# Altium PCB IoT_Greenhouse V1.0 A.PcbDoc (part 1 of 2)
Units mm, origin at the board's own origin, x right, y up, seen from the top; angles counter-clockwise.
Board outline 130 x 80 mm, 2 copper layers (Top Layer, Bottom Layer), stack 1.569 mm thick; 104 components, 49 nets, 361 pads, 100 vias.
Unrouted connection lines stored in the file: 251.
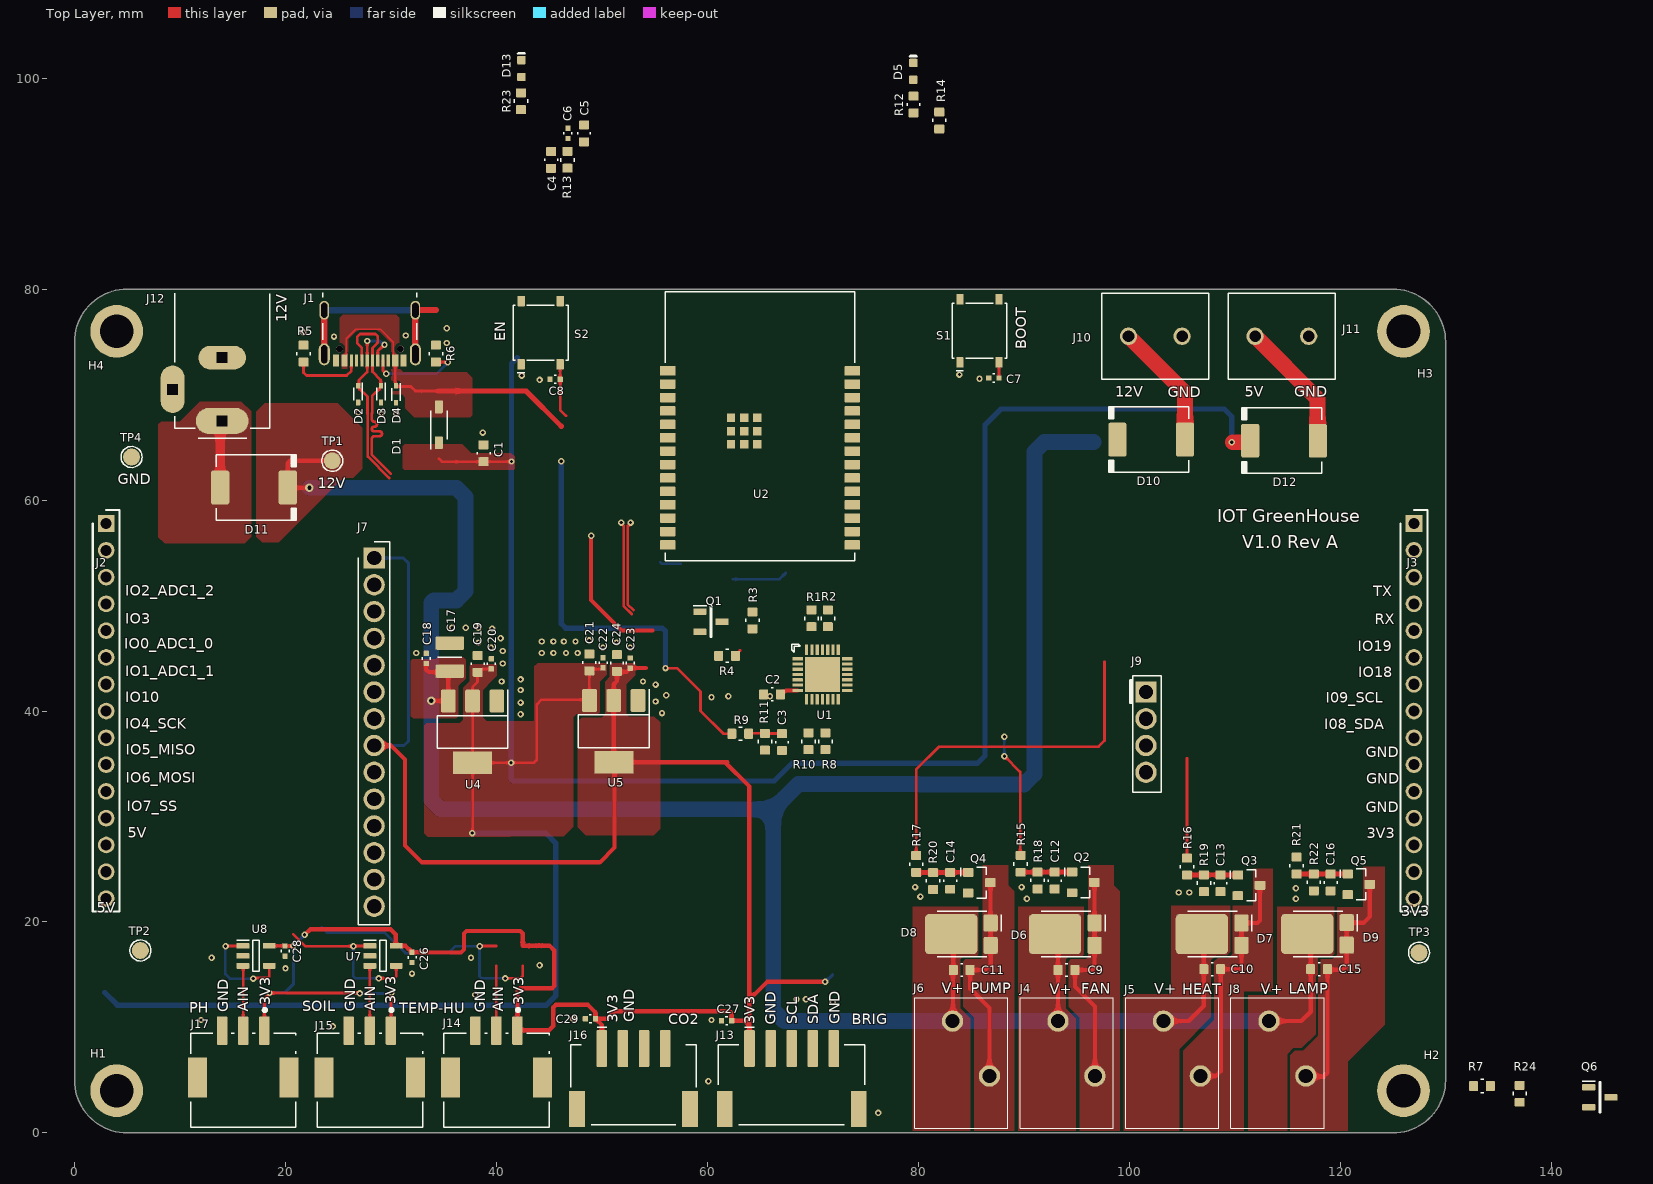
[diagram p0: Top Layer view]
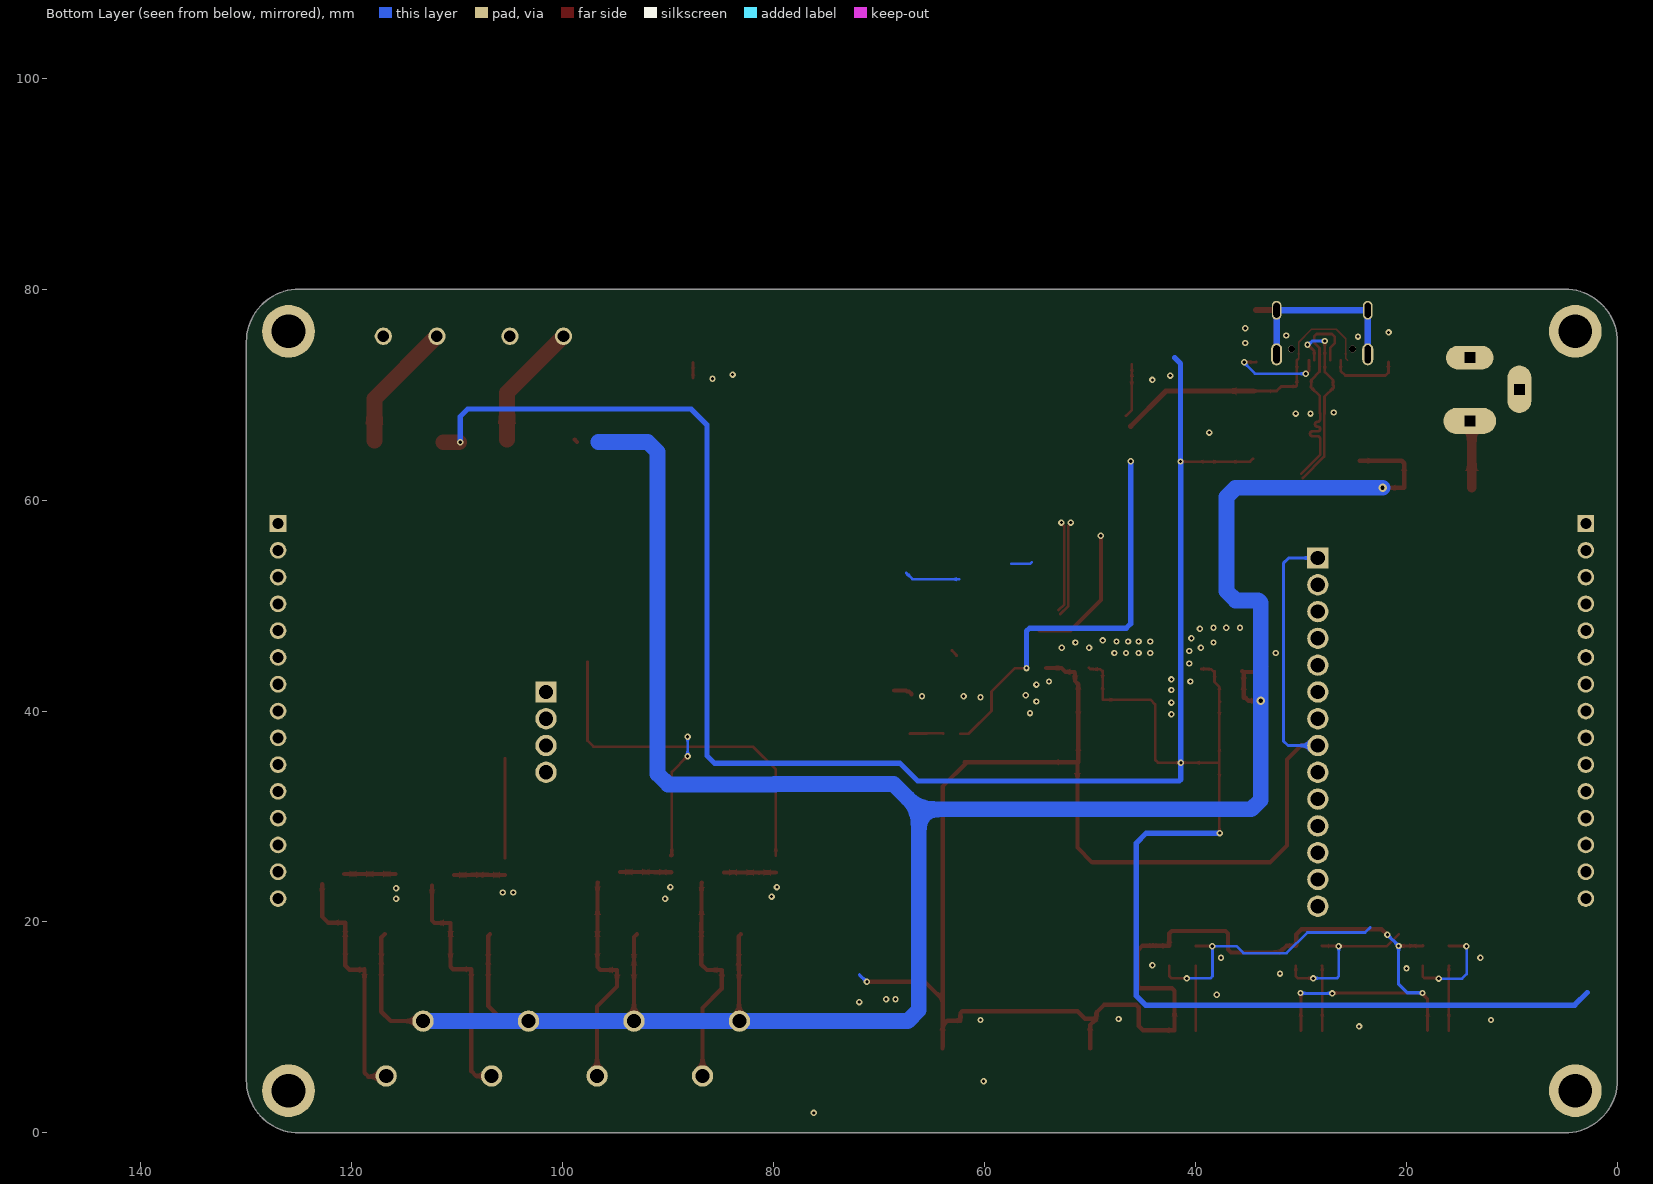
[diagram p1: Bottom Layer view, seen from below]

## Layer stack, top to bottom
Top Solder: solder mask 0.0254, SM-001, Dk 4
Top Layer: signal copper 0.035
Dielectric 1: core 1.4986, Core-043, Dk 4.3
Bottom Layer: signal copper 0.035
Bottom Solder: solder mask 0.0254, SM-001, Dk 4

## Board outline
0,5 0,75 cw(c5,75) 5,80 125,80 cw(c125,75) 130,75 130,5 cw(c125,5) 125,0 5,0 cw(c5,5)

## Design rules (kind name [scope] priority, off if disabled: settings)
BoardOutlineClearance [All] p1: gap=0.2 ignorepadtopadclearanceinfootprint=FALSE
Clearance Clearance_J1 [WithinRoom('ROOM_J1')] p1: gap=0.1 ignorepadtopadclearanceinfootprint=FALSE
Clearance Clearance_U1 [WithinRoom('ROOM_U1')] p2: gap=0.1 ignorepadtopadclearanceinfootprint=FALSE
Clearance Clearance_in_Z90 [InNetClass('Z90') vs InNetClass('Z90')] p3: gap=0.1 ignorepadtopadclearanceinfootprint=FALSE
Clearance [All] p4: gap=0.254 ignorepadtopadclearanceinfootprint=FALSE
ComponentClearance J1_Con_Clearance [InComponent('J1')] p1: gap=-100 collisioncheckmode=3 verticalgap=-100 showdistances=TRUE
ComponentClearance [All] p2: gap=0.254 collisioncheckmode=3 verticalgap=0.178 showdistances=TRUE
DiffPairsRouting [InDifferentialPairClass('Z90')] p1: maxlimit=0.127 minlimit=0.127 mostfreqgap=0.127 toplayer_minwidth=0.254 toplayer_maxwidth=0.254 toplayer_prefwidth=0.254 bottomlayer_minwidth=0.254 bottomlayer_maxwidth=0.254 bottomlayer_prefwidth=0.254 impedanceprofiledriven=TRUE impedanceprofileid={C76FB75A-1407-4EBC-86B8-B472929ECCBA} impedanceprofilevalue=90.000000 maxuncoupledlength=12.7
Height Height_BOT [(OnLayer('Bottom Layer'))] p2: minheight=0 maxheight=6 prefheight=4
HoleSize [All] p1 off: absolutevalues=TRUE maxlimit=2.54 minlimit=0.025 maxpercent=80.000 minpercent=20.000
HoleToHoleClearance [All] p1: gap=0 allowstackedmicrovias=TRUE
MatchedLengths MatchedLengths_Z90 [InDifferentialPairClass('Z90')] p1: tolerance=0.1 checknetsindiffpair=TRUE checkdiffpairvsdiffpair=FALSE checkxsignals=FALSE checkothers=FALSE
MinimumSolderMaskSliver [All] p1: minsoldermaskwidth=0
PlaneConnect PlaneConnect_1 [IsVia] p1: planeconnectstyle=Direct reliefexpansion=0.508 reliefentries=4 reliefconductorwidth=0.254 reliefairgap=0.254
PlaneConnect [IsPad] p2: planeconnectstyle=Direct reliefexpansion=0.5 reliefentries=4 reliefconductorwidth=0.3 reliefairgap=0.25
PolygonConnect [IsPolygon vs IsPad] p1: connectstyle=Direct reliefconductorwidth=0.3 reliefentries=4 polygonreliefangle="90 Angle" airgapwidth=0.3
PolygonConnect Polygon_Via [IsPolygon vs IsVia] p2: connectstyle=Direct reliefconductorwidth=0.254 reliefentries=4 polygonreliefangle="90 Angle" airgapwidth=0.254
RoutingVias [All] p1: holewidth=0.203 width=1 viastyle="Through Hole" minholewidth=0.203 minwidth=0.355 maxholewidth=3.3 maxwidth=1.27
SilkToSilkClearance [All] p1: silktosilkclearance=0.1
SilkToSolderMaskClearance SilkscreenOverComponentPads [IsPad] p1: minsilkscreentomaskgap=0.002 clearancetoexposedcopper=TRUE
SolderMaskExpansion SolderMaskExpVia [IsVia] p1: expansion=-0.076 istentingtop=TRUE
SolderMaskExpansion SolderMaskExpPad [IsPad] p2: expansion=0.051 istentingtop=FALSE
Width [All] p1: maxlimit=5 minlimit=0.085 preferedwidth=0.254
22 further rules are at their usual default settings.

## Classes and differential pairs
differential pair class Z90: DM
net class Z90: DM_N DM_P
differential pair DM: +DM_P -DM_N

## Components (designator, comment, footprint, x,y, rotation, side; value= is the part's Value field where it differs from the comment)
C1 "GRM188R61E106MA73D" CAP_0603_CAPC1608X08N 38.786,64.44 r270 top
C2 "GRM188R61E106MA73D" CAP_0603_CAPC1608X08N 66.142,41.58 r0 top
C3 "CL10A105KO8NNNC" CAP_0603_CAPC1608X08N 67.081,37.059 r90 top
C4 "CL10A105KO8NNNC" CAP_0603_CAPC1608X08N 45.187,92.253 r270 top
C5 "GRM188R61E106MA73D" CAP_0603_CAPC1608X08N 48.311,94.767 r270 top
C6 "GRM155R71H104KE14D" CAP_0402_CAPC1005X05N 46.787,94.767 r270 top
C7 "GRM155R71H104KE14D" CAP_0402_CAPC1005X05N 87.173,71.577 r180 top
C8 "GRM155R71H104KE14D" CAP_0402_CAPC1005X05N 45.568,71.45 r180 top
C9 "GMK107BJ105KA-T" CAP_0603_CAPC1608X08N 94.056,15.443 r180 top
C10 "GMK107BJ105KA-T" CAP_0603_CAPC1608X08N 107.874,15.519 r180 top
C11 "GMK107BJ105KA-T" CAP_0603_CAPC1608X08N 84.125,15.443 r180 top
C12 "CL10B104KO8NNNC" CAP_0603_CAPC1608X08N 92.939,23.927 r90 top
C13 "CL10B104KO8NNNC" CAP_0603_CAPC1608X08N 108.661,23.673 r90 top
C14 "CL10B104KO8NNNC" CAP_0603_CAPC1608X08N 83.033,23.901 r90 top
C15 "GMK107BJ105KA-T" CAP_0603_CAPC1608X08N 118.008,15.519 r180 top
C16 "CL10B104KO8NNNC" CAP_0603_CAPC1608X08N 119.101,23.749 r90 top
C17 "GRM32ER71E226KE15L" CAP_1210_CAPC3225X270N 35.585,45.11 r270 top
C18 "GRM155R71H104KE14D" CAP_0402_CAPC1005X05N 33.35,44.983 r270 top
C19 "GRM188R61E106MA73D" CAP_0603_CAPC1608X08N 38.227,44.475 r270 top
C20 "GRM155R71H104KE14D" CAP_0402_CAPC1005X05N 39.522,44.475 r270 top
C21 "GRM188R61E106MA73D" CAP_0603_CAPC1608X08N 48.819,44.602 r270 top
C22 "GRM155R71H104KE14D" CAP_0402_CAPC1005X05N 50.114,44.577 r270 top
C23 "GRM155R71H104KE14D" CAP_0402_CAPC1005X05N 52.705,44.552 r270 top
C24 "GRM188R61E106MA73D" CAP_0603_CAPC1608X08N 51.435,44.552 r270 top
C26 "GRM155R71H104KE14D" CAP_0402_CAPC1005X05N 32.004,16.637 r90 top
C27 "GRM155R71H104KE14D" CAP_0402_CAPC1005X05N 61.824,10.643 r0 top
C28 "GRM155R71H104KE14D" CAP_0402_CAPC1005X05N 19.964,17.247 r90 top
C29 "GRM155R71H104KE14D" CAP_0402_CAPC1005X05N 48.92,10.82 r0 top
D1 "1N5819HW-7-F" DIO_SOD3716X145N 34.544,67.132 r90 top
D2 "PESD5V0S1BB,115" DIO_TVS_SODFL1608X65N 26.899,70.053 r270 top
D3 "PESD5V0S1BB,115" DIO_TVS_SODFL1608X65N 29.058,70.053 r270 top
D4 "PESD5V0S1BB,115" DIO_TVS_SODFL1608X65N 30.48,70.028 r270 top
D5 "LTST-C193TBKT-5A" LED_0603-BLUE-0.75mm 79.527,100.647 r90 top
D6 "PMEG100V060ELPDZ" DIO_SCKTY_PMEG060V100EPDAZ 94.186,18.845 r270 top
D7 "PMEG100V060ELPDZ" DIO_SCKTY_PMEG060V100EPDAZ 108.105,18.845 r270 top
D8 "PMEG100V060ELPDZ" DIO_SCKTY_PMEG060V100EPDAZ 84.331,18.845 r270 top
D9 "PMEG100V060ELPDZ" DIO_SCKTY_PMEG060V100EPDAZ 118.088,18.87 r270 top
D10 "SS34-E3/9AT" DIO_Vishay_SMC_MFG 102.083,65.735 r0 top
D11 "SS34-E3/9AT" DIO_Vishay_SMC_MFG 17.018,61.189 r180 top
D12 "SS34-E3/9AT" DIO_Vishay_SMC_MFG 114.681,65.634 r0 top
D13 "LTST-C190KRKT" LED_0603-RED-0.75mm 42.367,100.914 r90 top
H1 "Mounting Hole" PTH_3.2X5 4,4 r0 top
H2 "Mounting Hole" PTH_3.2X5 126,4 r0 top
H3 "Mounting Hole" PTH_3.2X5 126,76 r0 top
H4 "Mounting Hole" PTH_3.2X5 4,76 r0 top
J1 "TYPE-C 16PIN 2MD(073)" CONN_USB_C_16P 28,78 r180 top
J2 "PEC15SFAN" HEADER_MALE_15P 3,40 r270 top
J3 "PEC15SFAN" HEADER_MALE_15P 127,40 r270 top
J4 "1-2834011-2" CONN_TBLOCK_128340112 95,8 r0 top
J5 "1-2834011-2" CONN_TBLOCK_128340112 105,8 r0 top
J6 "1-2834011-2" CONN_TBLOCK_128340112 85,8 r0 top
J7 "PPTC141LFBN-RC" CONN_HEADER_RHDR14W80P0X254_1X14_3606X254X850P 28.41,38 r270 top
J8 "1-2834011-2" CONN_TBLOCK_128340112 115,8 r0 top
J9 "PM254V-11-04-H85" CONN_HEADER_FEM_4P 101.59,38 r270 top
J10 "282837-2" CONN_TBLOCK_2P_\2828372 102.477,75.534 r0 top
J11 "282837-2" CONN_TBLOCK_2P_\2828372 114.477,75.534 r0 top
J12 "PJ-202AH" CONN_CUI_PJ-202AH 14,74 r90 top
J13 "S5B-PH-SM4-TB(LF)(SN)" CONN_JST_S5B-PH-SM4-TB_LF_SN_0 68,4.55 r0 top
J14 "SM03B-PASS-TBT" CONN_JST_SM03B-PASS-TBT_LF_SN_MFG 40,5 r180 top
J15 "SM03B-PASS-TBT" CONN_JST_SM03B-PASS-TBT_LF_SN_MFG 28,5 r180 top
J16 "S4B-PH-SM4-TB(LF)(SN" CONN_JST_S4B-PH-SM4-TB_LF_SN_0 53,4.55 r180 top
J17 "SM03B-PASS-TBT" CONN_JST_SM03B-PASS-TBT_LF_SN_MFG 16,5 r180 top
Q1 "KSC3265YMTF" TRANS_BJT_SOT96P237X111-3N 60.35,48.463 r0 top
Q2 "DMG6968U-7" SOT_23_3_MMBT2907A-13 95.631,23.749 r0 top
Q3 "DMG6968U-7" SOT_23_3_MMBT2907A-13 111.354,23.47 r0 top
Q4 "DMG6968U-7" SOT_23_3_MMBT2907A-13 85.776,23.724 r0 top
Q5 "DMG6968U-7" SOT_23_3_MMBT2907A-13 121.768,23.571 r0 top
Q6 "KSC3265YMTF" TRANS_BJT_SOT96P237X111-3N 144.623,3.376 r0 top
R1 "RC0603FR-070RL" RES_0603_RESC1608X04N 69.875,48.793 r270 top
R2 "RC0603FR-070RL" RES_0603_RESC1608X04N 71.425,48.793 r270 top
R3 "AC0603FR-1010KL" RES_0603_RESC1608X04N 64.287,48.59 r90 top
R4 "AC0603FR-1010KL" RES_0603_RESC1608X04N 61.874,45.237 r0 top
R5 "RC0603FR-075K1L" RES_0603_RESC1608X04N 21.717,73.889 r270 top
R6 "RC0603FR-075K1L" RES_0603_RESC1608X04N 34.265,73.889 r270 top
R7 "RC0603FR-074K7L" RES_0603_RESC1608X04N 133.447,4.443 r0 top
R8 "AC0603FR-1010KL" RES_0603_RESC1608X04N 71.196,37.135 r270 top
R9 "RC0603FR-0722K1L" RES_0603_RESC1608X04N 63.119,37.846 r0 top
R10 "AC0603FR-101KL" RES_0603_RESC1608X04N 69.596,37.135 r270 top
R11 "AC0603FR-0747K5L" RES_0603_RESC1608X04N 65.456,37.084 r90 top
R12 "ERJ3EKF1000V" CAP_0603_CAPC1608X08N 79.553,97.511 r90 top
R13 "AC0603FR-1010KL" RES_0603_RESC1608X04N 46.736,92.266 r270 top
R14 "AC0603FR-1010KL" RES_0603_RESC1608X04N 81.991,95.987 r90 top
R15 "RC0603JR-0710RL" RES_0603_RESC1608X04N 89.713,25.514 r270 top
R16 "RC0603JR-0710RL" RES_0603_RESC1608X04N 105.486,25.248 r270 top
R17 "RC0603JR-0710RL" RES_0603_RESC1608X04N 79.807,25.502 r270 top
R18 "RC0603FR-07100KL" RES_0603_RESC1608X04N 91.313,23.927 r90 top
R19 "RC0603FR-07100KL" RES_0603_RESC1608X04N 107.086,23.673 r90 top
R20 "RC0603FR-07100KL" RES_0603_RESC1608X04N 81.407,23.876 r90 top
R21 "RC0603JR-0710RL" RES_0603_RESC1608X04N 115.875,25.349 r270 top
R22 "RC0603FR-07100KL" RES_0603_RESC1608X04N 117.5,23.749 r90 top
R23 "RC0603JR-07130RL" RES_0603_RESC1608X04N 42.342,97.815 r90 top
R24 "RC0603FR-074K7L" RES_0603_RESC1608X04N 137.029,3.706 r90 top
S1 "PTS526SK15SMTR2LFS" SWT_NO_PTS526SK15SMTR2LFS 85.805,76.05 r90 top
S2 "PTS526SK15SMTR2LFS" SWT_NO_PTS526SK15SMTR2LFS 44.196,75.87 r90 top
TP1 "NO COMPONENT" TP_PAD_1.6MM_SMD_ROUND 24.435,63.729 r90 top
TP2 "NO COMPONENT" TP_PAD_1.6MM_SMD_ROUND 6.248,17.297 r90 top
TP3 "NO COMPONENT" TP_PAD_1.6MM_SMD_ROUND 127.483,17.094 r90 top
TP4 "NO COMPONENT" TP_PAD_1.6MM_SMD_ROUND 5.41,64.084 r90 top
U1 "CP2102N-A02-GQFN28R" IC_BRIDGE_UART_QFN50P500X500X80-29N-D 70.917,43.459 r0 top
U2 "ESP32-C6-WROOM-1-N4" IC_MODULE_ESP32C6WROOM1N4 65,67 r0 top
U4 "AZ1117IH-5.0TRG1" IC_REG_SOT230P700X180-4N 37.744,38.024 r270 top
U5 "AP2114H-3.3TRG1" IC_REG_SOT230P700X180-4N 51.13,38.075 r270 top
U7 "TLV2371IDBVT" IC_AMP_OP_SOT95P280X145-5N 29.261,16.789 r0 top
U8 "TLV2371IDBVT" IC_AMP_OP_SOT95P280X145-5N 17.221,16.789 r0 top

## Footprints (in the part's own frame and the unit in brackets; to place one, negate y for a bottom-side part, rotate by r counter-clockwise, add the part's x,y. Pads: shape width x height; smd on the part's side, far side on the other; paste and mask are expansions set on the pad)
CAP_0402_CAPC1005X05N [mil] "Chip Capacitor, 2-Leads, Body 1.00x0.50mm, IPC Medium Density"
  rrect20% 20x20 smd: 1(-18.9,0) 2(18.9,0)
  silkscreen extent -4,-15 4,15, body extent -20,-10 20,10, height 20
CAP_0603_CAPC1608X08N [mm] "Chip Capacitor, 2-Leads, Body 1.60x0.80mm, IPC Medium Density"
  rrect20% 0.85x0.95 smd: 1(-0.8,0) 2(0.8,0)
  silkscreen extent -0.1,-0.61 0.1,0.61, body extent -0.8,-0.4 0.8,0.4, height 0.3
CAP_1210_CAPC3225X270N [mm] "0.126\" L x 0.098\" W (3.20mm x 2.50mm)"
  rrect20% 1.26x2.72 smd: 1(-1.33,0) 2(1.33,0)
  silkscreen extent 0,-1.15 0,1.15, body extent -1.6,-1.25 1.6,1.25, height 2.7
CONN_CUI_PJ-202AH [mm] "Through Hole, Right Angle"
  oval 2.5x5 hole 1 square: 1(-6.5,0)
  oval 2.25x4.5 hole 1 square: 2(-0.5,0)
  oval 4.5x2.25 hole 1 square: 3(-3.5,4.7)
  silkscreen extent -8.13,-4.5 5.63,4.5, body extent -7.11,-4.52 7.29,4.88, height 11.01
CONN_HEADER_FEM_4P [mm] "2.54mm"
  rect 2.025x2.025 hole 1.35: 1(-3.81,0)
  round 2.025 hole 1.35: 2(-1.27,0) 3(1.27,0) 4(3.81,0)
  silkscreen extent -5.33,-1.52 5.68,1.46, body extent -5.33,-1.27 5.33,1.27, height 8.5
CONN_HEADER_RHDR14W80P0X254_1X14_3606X254X850P [mm]
  rect 2.025x2.025 hole 1.35: 1(-16.51,0)
  round 2.025 hole 1.35: 2(-13.97,0) 3(-11.43,0) 4(-8.89,0) 5(-6.35,0) 6(-3.81,0) 7(-1.27,0) 8(1.27,0) 9(3.81,0) 10(6.35,0) 11(8.89,0) 12(11.43,0) 13(13.97,0) 14(16.51,0)
  silkscreen extent -18.03,-1.5 18.24,1.5, body extent -18.03,-1.27 18.03,1.27, height 8.5
CONN_JST_S4B-PH-SM4-TB_LF_SN_0 [mm] "Connector Header Surface Mount, Right Angle 4 position 0.079\" (2.00mm)"
  rect 1.5x3.4 smd paste+0: 0(-5.35,2.3) 0(5.35,2.3)
  rrect20% 1x3.5 smd paste+0: 1(3,-3.45) 2(1,-3.45) 3(-1,-3.45) 4(-3,-3.45)
  silkscreen extent -5.95,-5.46 5.95,3.8, body extent -5.87,-5.04 6.03,3.83, height 5.58
CONN_JST_S5B-PH-SM4-TB_LF_SN_0 [mm] "Connector Header Surface Mount, Right Angle 5 position 0.079\" (2.00mm)"
  rect 1.5x3.4 smd paste+0: 0(-6.35,-2.3) 0(6.35,-2.3)
  rrect20% 1x3.5 smd paste+0: 1(-4,3.45) 2(-2,3.45) 3(0,3.45) 4(2,3.45) 5(4,3.45)
  silkscreen extent -6.95,-3.8 6.95,5.46, body extent -6.95,-3.55 6.95,5.05, height 5.58
CONN_JST_SM03B-PASS-TBT_LF_SN_MFG [mm]
  rrect20% 1x2.7 smd: 1(-2,-4.7) 2(0,-4.7) 3(2,-4.7)
  rect 1.8x3.8 smd: SH(-4.35,-0.25) SH(4.35,-0.25)
  silkscreen extent -5,-6.8 5,4.45, body extent -5.35,-6.15 5.35,4.55, height 0.25
CONN_TBLOCK_2P_\2828372 [mm]
  round 1.65 hole 1.1: 1(-2.54,0) 2(2.54,0)
  silkscreen extent -5.08,-4.1 5.08,4.1, body extent -5.03,-4.09 5.73,4.11, height 10.1
CONN_TBLOCK_128340112 [mm] "Pitch 3.5mm"
  round 2.025 hole 1.35: 1(-1.75,2.6) 2(1.75,-2.6)
  silkscreen extent -5.35,-7.55 3.5,4.8, body extent -5.17,-7.35 3.33,4.65, height 12.79
CONN_USB_C_16P [mm] "SMD 16P"
  rect 0.6x1.14 smd: A1_B12(-3.2,4.75) A4_B9(-2.4,4.75) B1_A12(3.2,4.75) B4_A9(2.4,4.75)
  rect 0.3x1.14 smd: A5(-1.25,4.75) A6(-0.25,4.75) A7(0.25,4.75) A8(1.25,4.75) B5(1.75,4.75) B6(0.75,4.75) B7(-0.75,4.75) B8(-1.75,4.75)
  oval 1.05x2.1 hole 0.6 slot 1.7 at 90 deg: SH1(-4.32,4.18) SH2(4.32,4.18)
  oval 0.9x1.8 hole 0.6 slot 1.4 at 90 deg: SH3(-4.32,0) SH4(4.32,0)
  round 0.65 hole 0.65 unplated: ""(-2.89,3.68) ""(2.89,3.68)
  silkscreen extent -4.47,-1.68 4.47,2.81, body extent -4.47,-2.57 4.47,5.03, height 3.23
DIO_SCKTY_PMEG060V100EPDAZ [mm] "SOT1289"
  rrect20% 1.6x1.34 smd: A(-1.065,2.537) A(1.065,2.537)
  rrect20% 3.8x4.96 smd: K(0,-1.213)
  silkscreen extent -2.15,-2.54 2.15,3.53, body extent -2.23,-3.49 2.22,3.01, height 0.8
DIO_SOD3716X145N [mm]
  rrect20% 1.2x0.75 smd: 1(-1.7,0) 2(1.7,0)
  silkscreen extent -2.3,-0.77 1.35,0.77, body extent -1.85,-0.77 1.85,0.77, height 1.45
DIO_TVS_SODFL1608X65N [mm]
  rrect20% 0.53x0.42 smd: 1(-0.8,0) 2(0.8,0)
  silkscreen extent -1.06,-0.4 0.6,0.4, body extent -0.8,-0.42 0.8,0.41, height 0.61
DIO_Vishay_SMC_MFG [mm] "DO-214AB (SMA)"
  rrect20% 1.72x3.2 smd paste+0: 1(-3.205,0) 2(3.205,0)
  silkscreen extent -4,-3.11 3.55,3.11, body extent -4.17,-3.21 4.17,3.21, height 0.25
HEADER_MALE_15P [mm]
  rect 1.575x1.575 hole 1.05: 1(-17.78,0)
  round 1.575 hole 1.05: 2(-15.24,0) 3(-12.7,0) 4(-10.16,0) 5(-7.62,0) 6(-5.08,0) 7(-2.54,0) 8(0,0) 9(2.54,0) 10(5.08,0) 11(7.62,0) 12(10.16,0) 13(12.7,0) 14(15.24,0) 15(17.78,0)
  silkscreen extent -19.05,-1.27 19,1.27, body extent -19.05,-1.25 19.05,1.29, height 10.63
IC_AMP_OP_SOT95P280X145-5N [mm] "SOT-23-5"
  rrect20% 1.2x0.55 smd: 1(-1.25,0.95) 2(-1.25,0) 3(-1.25,-0.95) 4(1.25,-0.95) 5(1.25,0.95)
  silkscreen extent -1.85,-1.46 0.3,1.48, body extent -1.4,-1.46 1.4,1.46, height 1.45
IC_BRIDGE_UART_QFN50P500X500X80-29N-D [mm]
  rrect20% 1x0.3 smd: 1(-2.35,1.5) 2(-2.35,1) 3(-2.35,0.5) 4(-2.35,0) 5(-2.35,-0.5) 6(-2.35,-1) 7(-2.35,-1.5) 15(2.35,-1.5) 16(2.35,-1) 17(2.35,-0.5) 18(2.35,0) 19(2.35,0.5) 20(2.35,1) 21(2.35,1.5)
  rrect20% 0.3x1 smd: 8(-1.5,-2.35) 9(-1,-2.35) 10(-0.5,-2.35) 11(0,-2.35) 12(0.5,-2.35) 13(1,-2.35) 14(1.5,-2.35) 22(1.5,2.35) 23(1,2.35) 24(0.5,2.35) 25(0,2.35) 26(-0.5,2.35) 27(-1,2.35) 28(-1.5,2.35)
  rect 3.35x3.35 smd: 29(0,0)
  silkscreen extent -2.9,2.11 -2.08,2.9, body extent -2.55,-2.55 2.55,2.55, height 0.8
IC_MODULE_ESP32C6WROOM1N4 [mm]
  rrect20% 1.5x0.9 smd: 1(-8.75,5.26) 2(-8.75,3.99) 3(-8.75,2.72) 4(-8.75,1.45) 5(-8.75,0.18) 6(-8.75,-1.09) 7(-8.75,-2.36) 8(-8.75,-3.63) 9(-8.75,-4.9) 10(-8.75,-6.17) 11(-8.75,-7.44) 12(-8.75,-8.71) 13(-8.75,-9.98) 14(-8.75,-11.25) 15(8.75,-11.25) 16(8.75,-9.98) 17(8.75,-8.71) 18(8.75,-7.44) 19(8.75,-6.17) 20(8.75,-4.9) 21(8.75,-3.63) 22(8.75,-2.36) 23(8.75,-1.09) 24(8.75,0.18) 25(8.75,1.45) 26(8.75,2.72) 27(8.75,3.99) 28(8.75,5.26)
  rect 0.8x0.8 smd: 29(-1.505,-0.46) 30(-1.505,0.79) 31(-2.755,0.79) 32(-2.755,-0.46) 33(-2.755,-1.71) 34(-1.505,-1.71) 35(-0.255,-1.71) 36(-0.255,-0.46) 37(-0.255,0.79)
  silkscreen extent -9,-12.75 9,12.75, body extent -9.01,-12.8 9.01,12.7, height 3.1
IC_REG_SOT230P700X180-4N [mm] "SOT223, 4-Leads, Body 6.50x7.00mm (avg), Pitch 2.30mm, IPC Medium Density"
  rrect20% 2.15x1.4 smd: 1(-2.925,2.3) 2(-2.925,0) 3(-2.925,-2.3)
  rect 2.15x3.7 smd: 4(2.925,0)
  silkscreen extent -4.01,-3.35 1.55,3.35, body extent -3.5,-3.2 3.5,3.3, height 1.65
LED_0603-BLUE-0.75mm [mm] "LED 0603 BLUE height = 0.75mm"
  rrect25% 0.8x0.8 smd: 1(0.8,0) 2(-0.8,0)
  silkscreen extent 1.4,-0.38 1.52,0.38, body extent -0.8,-0.4 0.81,0.4, height 0.75
LED_0603-RED-0.75mm [mm] "LED 0603 RED height = 0.75mm"
  rrect25% 0.8x0.8 smd: 1(0.8,0) 2(-0.8,0)
  silkscreen extent 1.4,-0.38 1.52,0.38, body extent -0.8,-0.4 0.81,0.4, height 0.8
PTH_3.2X5 [mm] "PTH 3.2mm drill 5mm ring"
  round 5 hole 3.2 paste-10: 1(0,0)
RES_0603_RESC1608X04N [mm] "Chip Resistor, 2-Leads, Body 1.60x0.80mm, IPC Medium Density"
  rrect20% 0.85x0.95 smd: 1(-0.8,0) 2(0.8,0)
  silkscreen extent -0.13,-0.64 0.17,0.64, body extent -0.8,-0.4 0.8,0.4, height 0.46
SOT_23_3_MMBT2907A-13 [mm] "SOT-23-3"
  rrect20% 1x0.85 smd: 1(-1.05,0.98) 2(-1.05,-0.98) 3(1.05,0)
  silkscreen extent -1.75,-1.46 0.65,1.46, body extent -1.21,-1.5 1.21,1.5, height 1.12
SWT_NO_PTS526SK15SMTR2LFS [mm] "TACT 5.2 X 5.2 mm"
  rrect20% 1x0.7 smd: 1(-3,1.85) 2(3,1.85) 3(-3,-1.85) 4(3,-1.85)
  silkscreen extent -3.78,-2.6 2.6,2.6, body extent -3.2,-2.6 3.2,2.6, height 1.55
TP_PAD_1.6MM_SMD_ROUND [mm] "Test Point, round, 1.6mm diameter, smd pad"
  round 1.6 smd paste-1.524: 1(0,0)
  silkscreen extent -1,-1 1,1
TRANS_BJT_SOT96P237X111-3N [mm]
  rrect20% 1.25x0.6 smd: 1(-1.05,0.955) 2(-1.05,-0.955) 3(1.05,0)
  silkscreen extent -1.68,-1.46 0.08,1.51, body extent -1.18,-1.46 1.18,1.46, height 1.11

## Part data
C1 C2 C5 C19 C21 C24: library part CAP_10UF_25V_X5R_0603, "Multilayer Ceramic Capacitor, 10 uF, 25 V, ± 20%, X5R, 0603 [1608 Metric]", Capacitance=10uF, Case Code (Imperial)=0603, Case Code (Metric)=1608, Dielectric=X5R, Manufacturer=Murata, Max Operating Temperature=85°C, Min Operating Temperature=-55°C, Package Quantity=1, Supplier Part Number 1=490-7202-1-ND, Tolerance=20%, Voltage=25V, Case/Package=0603, Category="Ceramic Capacitors", ComponentLink1Description=https://datasheet.ciiva.com/22776/c02e-22776427.pdf?src-supplier=Farnell, ComponentLink1URL=https://datasheet.ciiva.com/22776/c02e-22776427.pdf?src-supplier=Farnell, ComponentLink2Description=https://datasheet.ciiva.com/22619/c02e-22619674.pdf?src-supplier=Element14, ComponentLink2URL=https://datasheet.ciiva.com/22619/c02e-22619674.pdf?src-supplier=Element14, ComponentLink3Description=https://datasheet.ciiva.com/22776/608985-22776426.pdf?src-supplier=Farnell, ComponentLink3URL=https://datasheet.ciiva.com/22776/608985-22776426.pdf?src-supplier=Farnell, ComponentLink4Description=https://datasheet.ciiva.com/14906/partnumbering-e-01-14906431.pdf?src-supplier=Digi-Key, ComponentLink4URL=https://datasheet.ciiva.com/14906/partnumbering-e-01-14906431.pdf?src-supplier=Digi-Key, ComponentLink5Description=https://datasheet.ciiva.com/14906/partnumbering-e-01-14906429.pdf?src-supplier=Digi-Key, ComponentLink5URL=https://datasheet.ciiva.com/14906/partnumbering-e-01-14906429.pdf?src-supplier=Digi-Key, Construction=Flat, Depth=0.8mm, Height=0.8mm, Lead Free="Lead Free", Length=1.6mm, Manufacturer Part Number=GRM188R61E106MA73D, Material=4241ConductorMaterial, Mount="Surface Mount", Number of Pins=2, Packaging="Cut Tape", Pricing 1="1=0.26, 10=0.168, 50=0.1176, 100=0.0949, 500=0.07054, 1000=0.06173 (USD)", Reach SVHC Compliant=No, RoHS=Yes, RoHS Compliant=Yes, Series=GRM, Stock 1=2712970, Supplier 1=Digi-Key, Termination=SMD/SMT, Thickness=0.031inch, Voltage Rating=25V, Voltage Rating (DC)=25V, Weight=0.000222oz, Width=0.031inch
C3 C4: library part CAP_1UF_16V_X5R_0603, "CAP CER 1UF 16V X5R 0603", Capacitance=1uF, Case Code (Imperial)=0603, Case Code (Metric)=1608, Dielectric=X5R, Manufacturer=Samsung, Max Operating Temperature=85°C, Min Operating Temperature=-55°C, Package Quantity=1, Supplier Part Number 1=1276-1034-1-ND, Tolerance=10%, Voltage=16V, Case/Package=0603, Category="Ceramic Capacitors", ComponentLink1Description=https://datasheet.ciiva.com/16199/cl10a105ko8nnnc-16199033.pdf?src-supplier=Future+Electronics, ComponentLink1URL=https://datasheet.ciiva.com/16199/cl10a105ko8nnnc-16199033.pdf?src-supplier=Future+Electronics, ComponentLink2Description=https://datasheet.ciiva.com/15195/getdatasheetpartid-359688-15195706.pdf?src-supplier=Verical, ComponentLink2URL=https://datasheet.ciiva.com/15195/getdatasheetpartid-359688-15195706.pdf?src-supplier=Verical, ComponentLink3Description=https://datasheet.ciiva.com/29198/458190-da-01-en-vs-kondensator-0603-29198480.pdf?src-supplier=Conrad, ComponentLink3URL=https://datasheet.ciiva.com/29198/458190-da-01-en-vs-kondensator-0603-29198480.pdf?src-supplier=Conrad, Construction=Flat, Contact Plating=Tin, Depth=0.8mm, Height=0.8mm, Lead Free="Lead Free", Length=1.6mm, Manufacturer Part Number=CL10A105KO8NNNC, Material=Ceramic, Mount="Surface Mount", Packaging="Tape and Reel", Pricing 1="1=0.10000, 10=0.03300, 50=0.01800, 100=0.01470, 500=0.01050, 1000=0.00825 (USD)", Radiation Hardening=No, RoHS=Yes, RoHS Compliant=Yes, Series=CL, Stock 1=252255, Supplier 1=Digi-Key, Supplier 2=Mouser, Supplier 3=Newark, Supplier Part Number 2=187-CL10A105KO8NNNC, Supplier Part Number 3=82AC9279, Thickness=0.035inch, Voltage Rating=16V, Voltage Rating (DC)=16V, Width=0.031inch
C6 C7 C8 C18 C20 C22 C23 C26 C27 C28 C29: library part CAP_100NF_50V_X7R_0402, "Multilayer Ceramic Capacitor, 0.1 uF, 16 V, ± 10%, X7R, 0402 [1005 Metric]", Capacitance=100nF, Case Code (Imperial)=0402, Case Code (Metric)=1005, Dielectric=X7R, Dielectric Material=Ceramic, Manufacturer=Murata, Max Operating Temperature=125°C, Min Operating Temperature=-55°C, Package Quantity=10000, Supplier Part Number 1=490-10700-6-ND, Temperature Coefficient=30ppm/°C, Tolerance=10%, Voltage=50V, Case/Package=0402, Category="Ceramic Capacitors", ComponentLink1Description=http://www.farnell.com/datasheets/2079156.pdf?src-supplier=Farnell, ComponentLink1URL=http://www.farnell.com/datasheets/2079156.pdf?src-supplier=Farnell, ComponentLink2Description=http://www.mouser.com/ds/2/281/c02e-2905.pdf?src-supplier=Mouser, ComponentLink2URL=http://www.mouser.com/ds/2/281/c02e-2905.pdf?src-supplier=Mouser, ComponentLink3Description=http://www.farnell.com/datasheets/2079156.pdf?src-supplier=Newark, ComponentLink3URL=http://www.farnell.com/datasheets/2079156.pdf?src-supplier=Newark, ComponentLink4Description=https://datasheet.octopart.com/GRM155R71H104KE14D-Murata-datasheet-22122223.pdf?src-supplier=Future+Electronics, ComponentLink4URL=https://datasheet.octopart.com/GRM155R71H104KE14D-Murata-datasheet-22122223.pdf?src-supplier=Future+Electronics, ComponentLink5Description=https://search.murata.co.jp/Ceramy/image/img/A01X/G101/ENG/GRM155R71H104KE14-01.pdf?src-supplier=Digi-Key, ComponentLink5URL=https://search.murata.co.jp/Ceramy/image/img/A01X/G101/ENG/GRM155R71H104KE14-01.pdf?src-supplier=Digi-Key, ComponentLink6Description=http://psearch.en.murata.com/capacitor/product/GRM155R71H104KE14%23.pdf?src-supplier=Avnet, ComponentLink6URL=http://psearch.en.murata.com/capacitor/product/GRM155R71H104KE14%23.pdf?src-supplier=Avnet, ComponentLink7Description=https://datasheet.octopart.com/GRM155R71H104KE14D-Murata-datasheet-66077078.pdf?src-supplier=Element14, ComponentLink7URL=https://datasheet.octopart.com/GRM155R71H104KE14D-Murata-datasheet-66077078.pdf?src-supplier=Element14, ComponentLink8Description=http://www.mouser.com/ds/2/447/UPY-GPHC_X5R_4V-to-50V_25-1131599.pdf?src-supplier=Mouser, ComponentLink8URL=http://www.mouser.com/ds/2/447/UPY-GPHC_X5R_4V-to-50V_25-1131599.pdf?src-supplier=Mouser, ComponentLink9Description=https://datasheet.octopart.com/CC0402KRX5R8BB104-Yageo-datasheet-137700082.pdf?src-supplier=Future+Electronics, ComponentLink9URL=https://datasheet.octopart.com/CC0402KRX5R8BB104-Yageo-datasheet-137700082.pdf?src-supplier=Future+Electronics, ComponentLink10Description=http://www.yageo.com/documents/recent/UPY-GPHC_X5R_4V-to-50V_25.pdf?src-supplier=Digikey, ComponentLink10URL=http://www.yageo.com/documents/recent/UPY-GPHC_X5R_4V-to-50V_25.pdf?src-supplier=Digikey, ComponentLink11Description=https://datasheet.octopart.com/CC0402KRX5R8BB104-Yageo-datasheet-140260304.pdf?src-supplier=Newark, ComponentLink11URL=https://datasheet.octopart.com/CC0402KRX5R8BB104-Yageo-datasheet-140260304.pdf?src-supplier=Newark, ComponentLink12Description=https://datasheet.octopart.com/CC0402KRX5R8BB104-Yageo-datasheet-170350636.pdf?src-supplier=Future+Electronics, ComponentLink12URL=https://datasheet.octopart.com/CC0402KRX5R8BB104-Yageo-datasheet-170350636.pdf?src-supplier=Future+Electronics, ComponentLink13Description=http://www.yageo.com/documents/recent/UPY-GPHC_X5R_4V-to-50V-16.pdf?src-supplier=Future+Electronics, ComponentLink13URL=http://www.yageo.com/documents/recent/UPY-GPHC_X5R_4V-to-50V-16.pdf?src-supplier=Future+Electronics, Construction=Flat, Depth=0.5mm, Dissipation Factor=0.025%, Halogen Free=5694HalogenFree, Height=0.5mm, Lead Free=5697LeadFree, Length=1mm, Manufacturer Part Number=GRM155R71H104KE14D, Material=Ceramic, Mount="Surface Mount", Number of Pins=2NUMBER, Packaging="Tape and Reel", Pricing 1="1=0.1, 10=0.023, 50=0.0132, 100=0.0102, 500=0.00768, 1000=0.00603, 2500=0.00548, 5000=0.00504 (USD)", Pricing 2="1=0.1, 10=0.037, 50=0.021, 100=0.0162, 500=0.01224, 1000=0.00961, 2500=0.00874, 5000=0.00804 (USD)", Reach SVHC Compliant=No, RoHS=Yes, RoHS Compliant=Yes, Series=GRM, Stock 1=13730790, Stock 2=3706055, Supplier 1=DigiKey, Supplier 2=Digikey, Supplier Part Number 2=311-1697-1-ND, Termination=SMD/SMT, Thickness=0.022inch, Voltage Rating=50V, Voltage Rating (DC)=50V, Weight=0.000212oz, Width=0.5mm
C9 C10 C11 C15: library part CAP_1uF_35V_X5R_0603, "Multilayer Ceramic Capacitors (High dielectric type), 35V, 1 uF, ± 10 %, 0603, X5R, RoHS", Capacitance=1uF, Case Code (Imperial)=0603, Case Code (Metric)=1608, Dielectric=X5R, Dielectric Material=4241ConductorMaterial, Manufacturer="Taiyo Yuden", Max Operating Temperature=85°C, Min Operating Temperature=-55°C, Package Quantity=4000, Supplier Part Number 1=587-1437-6-ND, Tolerance=10%, Voltage Rating=35V, Case/Package=0603, Category="Ceramic Capacitors", ComponentLink1Description=https://datasheet.ciiva.com/134/gmk107bj105ka-t-ss-134746.pdf?src-supplier=Digikey, ComponentLink1URL=https://datasheet.ciiva.com/134/gmk107bj105ka-t-ss-134746.pdf?src-supplier=Digikey, ComponentLink2Description=https://datasheet.ciiva.com/30065/198gmk107bj105ka-t-30065053.pdf?src-supplier=Onlinecomponents.com, ComponentLink2URL=https://datasheet.ciiva.com/30065/198gmk107bj105ka-t-30065053.pdf?src-supplier=Onlinecomponents.com, ComponentLink3Description=https://datasheet.ciiva.com/11463/gmk107bj105ka-t-ss-11463824.pdf?src-supplier=Avnet, ComponentLink3URL=https://datasheet.ciiva.com/11463/gmk107bj105ka-t-ss-11463824.pdf?src-supplier=Avnet, ComponentLink4Description=https://datasheet.ciiva.com/15920/1014gmk107bj105ka-t-15920678.pdf?src-supplier=Onlinecomponents.com, ComponentLink4URL=https://datasheet.ciiva.com/15920/1014gmk107bj105ka-t-15920678.pdf?src-supplier=Onlinecomponents.com, ComponentLink5Description=https://datasheet.ciiva.com/26871/getdatasheetpartid-637436-26871549.pdf?src-supplier=Verical, ComponentLink5URL=https://datasheet.ciiva.com/26871/getdatasheetpartid-637436-26871549.pdf?src-supplier=Verical, ComponentLink6Description=https://datasheet.ciiva.com/30181/9gmk107bj105ka-t-30181659.pdf?src-supplier=Onlinecomponents.com, ComponentLink6URL=https://datasheet.ciiva.com/30181/9gmk107bj105ka-t-30181659.pdf?src-supplier=Onlinecomponents.com, ComponentLink7Description=https://datasheet.ciiva.com/5415/mlcc-all-e-541559-5415038.pdf?src-supplier=Mouser, ComponentLink7URL=https://datasheet.ciiva.com/5415/mlcc-all-e-541559-5415038.pdf?src-supplier=Mouser, Construction=Flat, Depth=0.8mm, Halogen Free=5694HalogenFree, Height=0.8mm, Lead Free=5697LeadFree, Length=1.6mm, Manufacturer Part Number=GMK107BJ105KA-T, Material=4241ConductorMaterial, Mount="Surface Mount", Packaging="Tape and Reel", Pricing 1="1=0.17, 10=0.108, 50=0.0682, 100=0.0545, 500=0.0394, 1000=0.03484 (USD)", Radiation Hardening=No, Reach SVHC Compliant=No, RoHS=Yes, RoHS Compliant=Yes, Series=M, Stock 1=1326938, Supplier 1=Digikey, Termination=SMD/SMT, Voltage Rating (DC)=35V, Width=0.8mm
C12 C13 C14 C16: library part CAP_100NF_16V_X7R_0603, "Ceramic capacitor SMD-0603 100nF /16V X7R# K +-10%, Samsung, RoHS", Capacitance=100nF, Case Code (Imperial)=0603, Case Code (Metric)=1608, Dielectric=X7R, Manufacturer=Samsung, Max Operating Temperature=125°C, Min Operating Temperature=-55°C, Package Quantity=1, Supplier Part Number 1=1276-1005-1-ND, Tolerance=10%, Voltage=16V, Case/Package=0603, Category="Ceramic Capacitors", ComponentLink1Description=https://datasheet.ciiva.com/25805/cl10b104ko8nnnc-25805483.pdf?src-supplier=Digi-Key, ComponentLink1URL=https://datasheet.ciiva.com/25805/cl10b104ko8nnnc-25805483.pdf?src-supplier=Digi-Key, ComponentLink2Description=https://datasheet.ciiva.com/26838/getdatasheetpartid-357417-26838418.pdf?src-supplier=Verical, ComponentLink2URL=https://datasheet.ciiva.com/26838/getdatasheetpartid-357417-26838418.pdf?src-supplier=Verical, ComponentLink3Description=https://datasheet.ciiva.com/29198/456679-da-01-en-vs-kondensator-0603-29198846.pdf?src-supplier=Conrad, ComponentLink3URL=https://datasheet.ciiva.com/29198/456679-da-01-en-vs-kondensator-0603-29198846.pdf?src-supplier=Conrad, Contact Plating=Tin, Depth=0.8mm, Height=0.8mm, Lead Free="Lead Free", Length=1.6mm, Manufacturer Part Number=CL10B104KO8NNNC, Material=Ceramic, Mount="Surface Mount", Packaging="Tape and Reel", Pricing 1="1=0.10000, 10=0.02700, 50=0.01500, 100=0.01220, 500=0.00874, 1000=0.00686 (USD)", Radiation Hardening=No, RoHS=Yes, RoHS Compliant=Yes, Series=CL, Stock 1=9799745, Supplier 1=Digi-Key, Supplier 2=Newark, Supplier 3=Mouser, Supplier Part Number 2=82AC9325, Supplier Part Number 3=187-CL10B104KO8NNNC, Thickness=0.035inch, Voltage Rating=16V, Width=0.031inch
C17: library part CAP_22UF_25V_X7R_1210, "Multilayer Ceramic Capacitor, 22 uF, 25 V, ± 10%, X7R, 1210 [3225 Metric]", Capacitance=22uF, Case Code (Imperial)=1210, Case Code (Metric)=3225, Color=46Colour, Current Rating=3A, Dielectric=X7R, Manufacturer=Murata, Max Operating Temperature=125°C, Min Operating Temperature=-55°C, Package Quantity=1, Supplier Part Number 1=490-5313-1-ND, Tolerance=10%, Voltage=25V, Case/Package=1210, Category="Ceramic Capacitors", ComponentLink1Description=https://datasheet.ciiva.com/6072/1697714-6072768.pdf?src-supplier=Farnell, ComponentLink1URL=https://datasheet.ciiva.com/6072/1697714-6072768.pdf?src-supplier=Farnell, ComponentLink2Description=https://datasheet.ciiva.com/3776/2741grm32er71e226ke1523-3776996.pdf?src-supplier=Arrow+Electronics, ComponentLink2URL=https://datasheet.ciiva.com/3776/2741grm32er71e226ke1523-3776996.pdf?src-supplier=Arrow+Electronics, ComponentLink3Description=https://datasheet.ciiva.com/11789/0900766b80ef921d-11789129.pdf?src-supplier=Rs, ComponentLink3URL=https://datasheet.ciiva.com/11789/0900766b80ef921d-11789129.pdf?src-supplier=Rs, ComponentLink4Description=https://datasheet.ciiva.com/16497/product-16497009.pdf?src-supplier=Future+Electronics, ComponentLink4URL=https://datasheet.ciiva.com/16497/product-16497009.pdf?src-supplier=Future+Electronics, ComponentLink5Description=https://datasheet.ciiva.com/29201/451826-da-01-de-vs-kondens-grm32-er71e-226ke15l-29201795.pdf?src-supplier=Conrad, ComponentLink5URL=https://datasheet.ciiva.com/29201/451826-da-01-de-vs-kondens-grm32-er71e-226ke15l-29201795.pdf?src-supplier=Conrad, ComponentLink6Description=https://datasheet.ciiva.com/175/partnumbering-e-01-175746.pdf?src-supplier=Digikey, ComponentLink6URL=https://datasheet.ciiva.com/175/partnumbering-e-01-175746.pdf?src-supplier=Digikey, ComponentLink7Description=https://datasheet.ciiva.com/175/partnumbering-e-01-175747.pdf?src-supplier=Digikey, ComponentLink7URL=https://datasheet.ciiva.com/175/partnumbering-e-01-175747.pdf?src-supplier=Digikey, ComponentLink8Description=https://datasheet.ciiva.com/175/partnumbering-e-01-175748.pdf?src-supplier=Digikey, ComponentLink8URL=https://datasheet.ciiva.com/175/partnumbering-e-01-175748.pdf?src-supplier=Digikey, ComponentLink9Description=https://datasheet.ciiva.com/22703/1697714-22703397.pdf?src-supplier=Element14, ComponentLink9URL=https://datasheet.ciiva.com/22703/1697714-22703397.pdf?src-supplier=Element14, Construction=Flat, Contact Material=150ConductorMaterial, Contact Plating=157ConductorMaterial, Depth=2.5mm, Gender=29Gender, Height=2.5mm, Lead Free="Lead Free", Lead Pitch=2.54mm, Length=3.2mm, Manufacturer Part Number=GRM32ER71E226KE15L, Material=Ceramic, Mount="Surface Mount", Number of Pins=2, Packaging="Tape and Reel", Pricing 1="1=0.76, 10=0.535, 50=0.4502, 100=0.3666, 500=0.30548 (USD)", Radiation Hardening=No, Reach SVHC Compliant=No, RoHS=Yes, RoHS Compliant=Yes, Series=GRM, Stock 1=230605, Supplier 1=Digikey, Termination=SMD/SMT, Thickness=0.106inch, Voltage Rating=25V, Voltage Rating (DC)=25V, Width=0.098inch